# Altium PCB MainBoard_Layout_V2.PcbDoc (part 2 of 3)
Units mil, origin at the board's own origin, x right, y up, seen from the top; angles counter-clockwise.
Board outline 6119.77 x 4182.8 mil, 4 copper layers (Top Layer 1, Top Layer, Bottom Layer, Bottom Layer 1), stack 19.156 mil thick; 239 components, 227 nets, 1028 pads, 670 vias.
Unrouted connection lines stored in the file: 2.
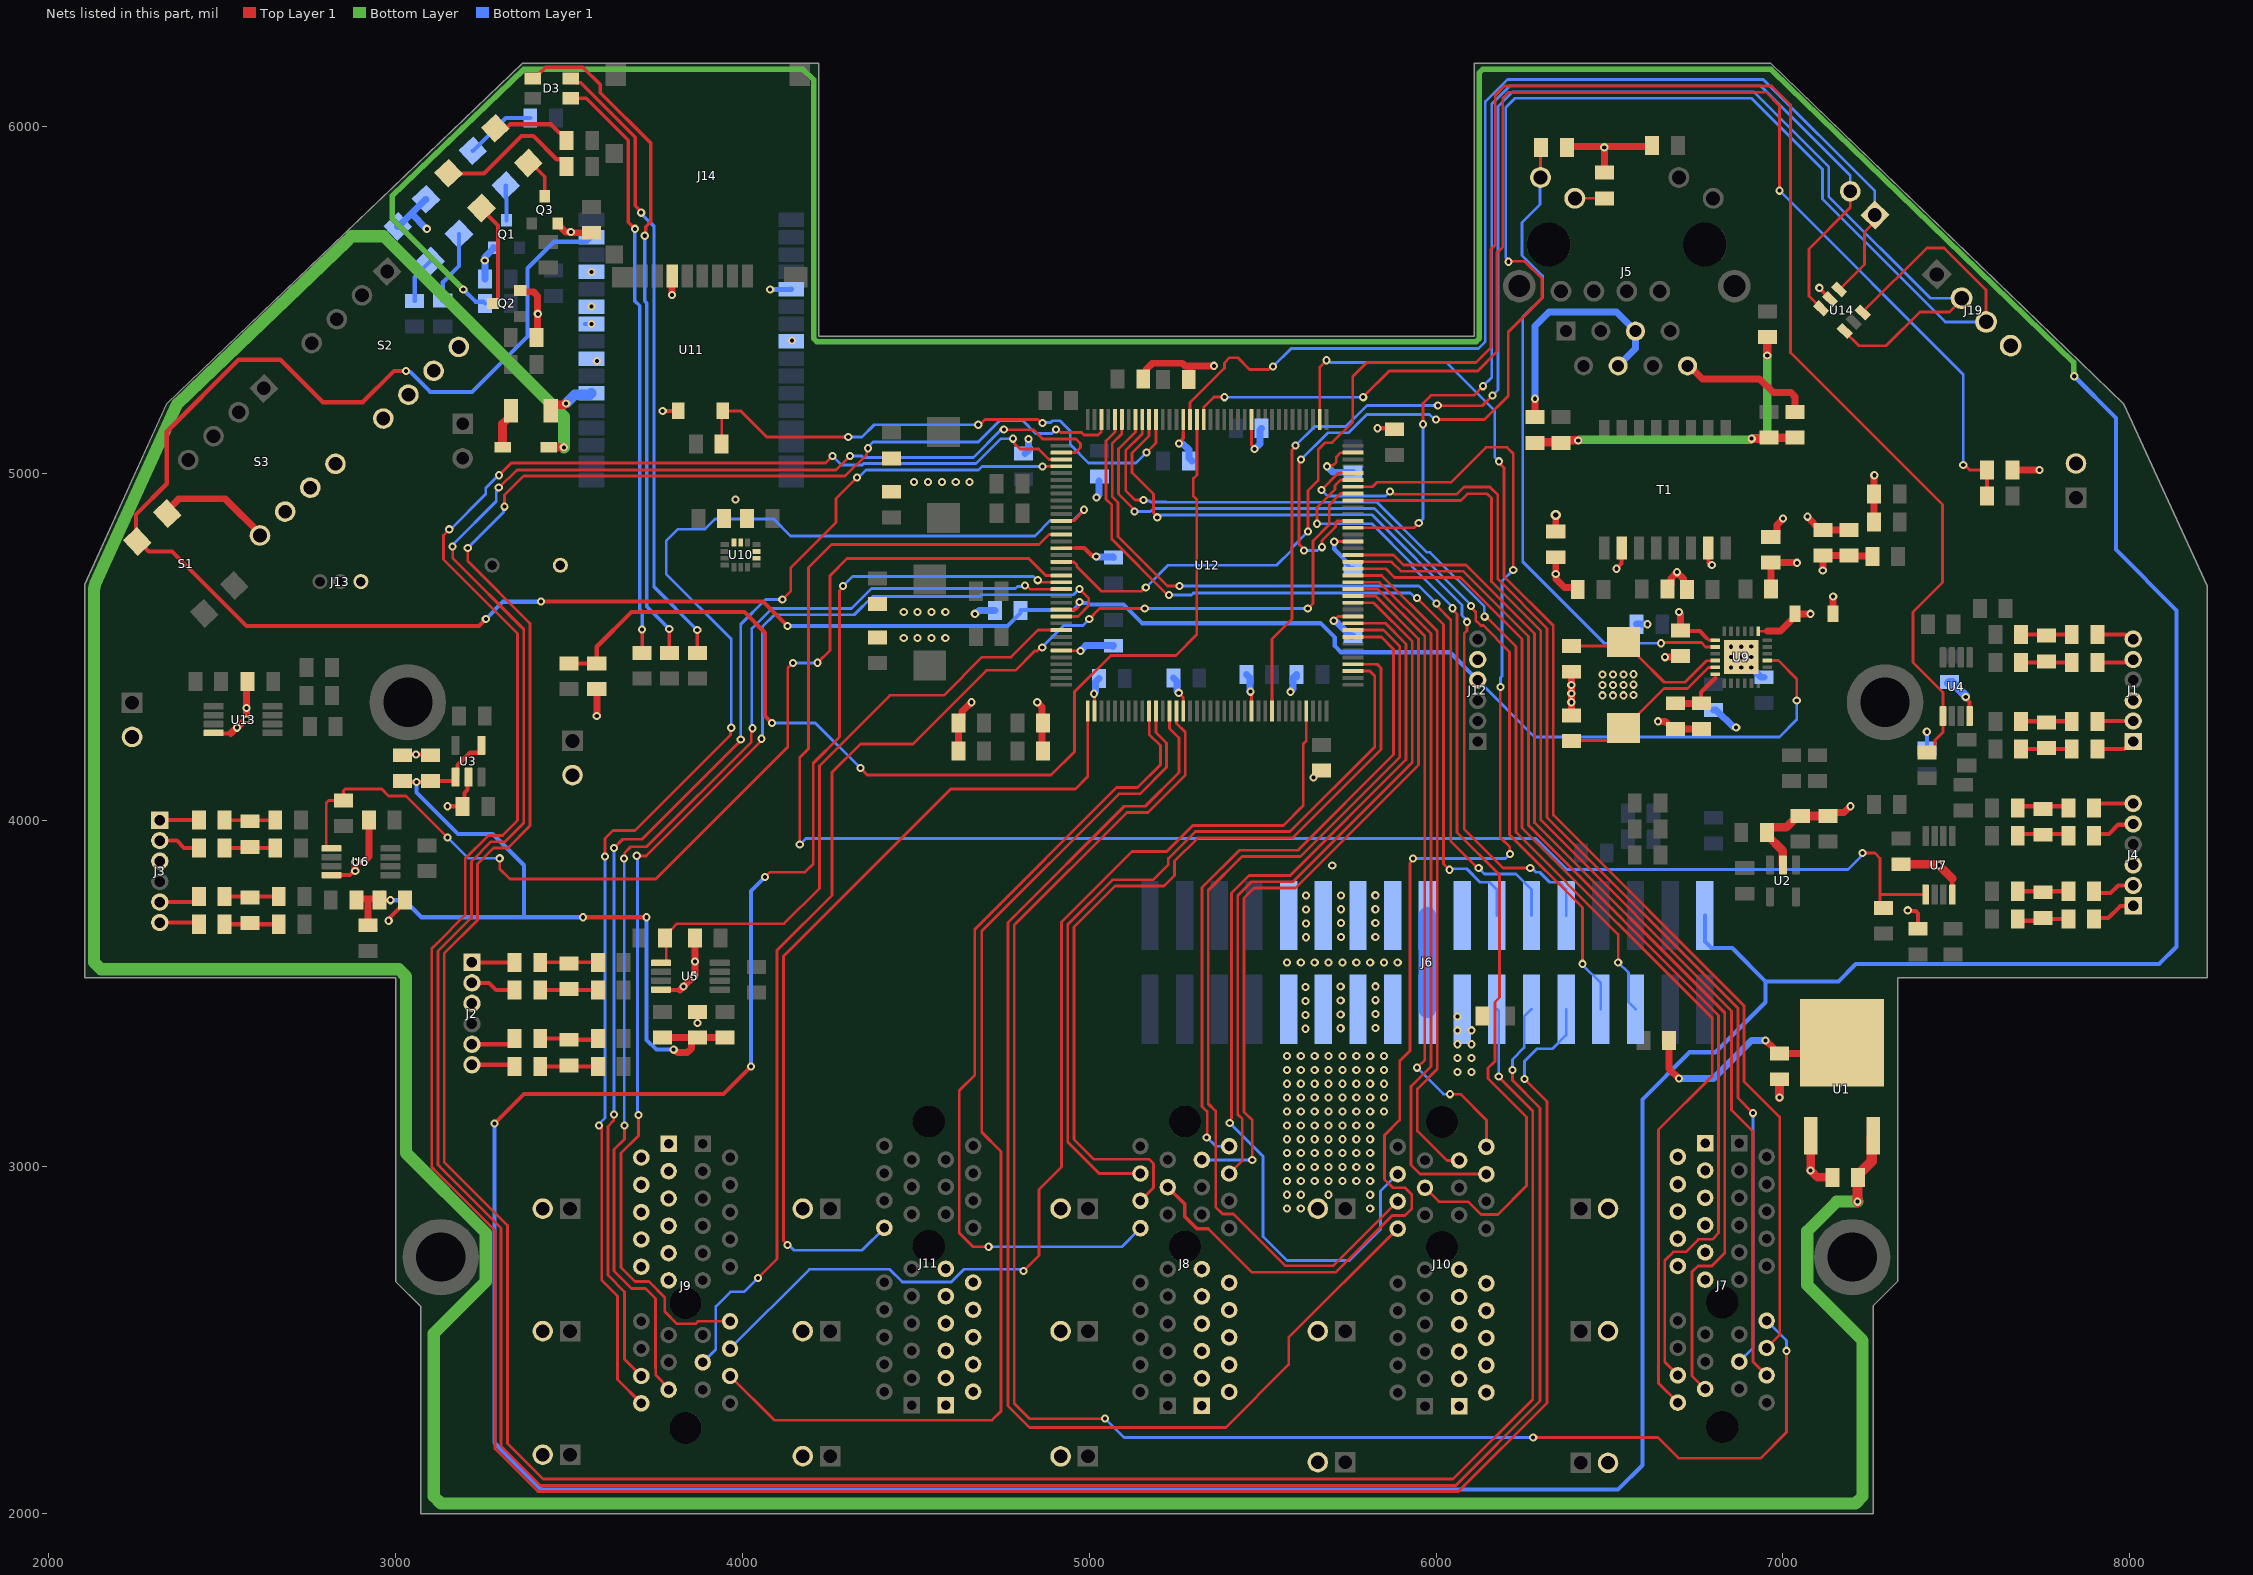
[diagram p4: the nets of this part, all layers, seen from the top]

## Via types
v1: diameter 23.62, hole 11.81, Top Layer 1 to Bottom Layer 1, tented both sides, 452 vias
v2: diameter 23.62, hole 11.81, Top Layer 1 to Bottom Layer 1, 166 vias
v3: diameter 23.62, hole 11.81, Top Layer 1 to Bottom Layer 1, tented bottom, 48 vias
v4: diameter 23.62/23.62/23.62/23.62 (per signal layer), hole 11.81, Top Layer 1 to Bottom Layer 1, 2 vias
v5: diameter 30, hole 15, Top Layer 1 to Bottom Layer 1, tented both sides, 1 vias
v6: diameter 23.62, hole 11.81, Top Layer 1 to Bottom Layer 1, tented top, 1 vias

## Nets (pads, with @x,y where several pads share a name; then routed paths per layer and width w, separated by ;. In a path a pad name is that pad's centre, name@x,y a point inside that pad or via, vN(x,y) a via of type N, cw(c..) or ccw(c..) an arc to the next point about the centre after c; other vN are vias at no path point) (continued)
3V3_DIV2B: C21.1 C24.1 C33.2 C39.1 R28.2 R29.2 R50.2 R51.2 U3.1 U3.4 | length 2577.8
  Top Layer 1 w12: C39.1@2953,3770 2984.24,3770 v2(2985,3769.24) ; C24.1@3020,4113 3023,4110 v2(3060,4110) 3097,4110 C21.1@3100,4113 3166.79,4113 3172.6,4118.81 U3.1@3172.6,4124.13 3178.41,4129.94 3178.41,4158.41 3214.5,4194.5 3241.59,4194.5 3247.4,4200.31 U3.4@3247.4,4215.87 ; v3(3540,3720) v3(3723.64,3720)
  Top Layer 1 w20: R50.2@2887,3770 2890.5,3773.5 2916.14,3773.5 ; R51.2@2937.5,3687 2927.5,3697 R51.2@2920,3697 2920,3769.64 2916.14,3773.5 ; C39.1@2960,3777 2956.5,3773.5 2916.14,3773.5 ; C39.1@2960.8,3783.8 2960.8,3785.3 C39.1@2963,3787.5 ; R28.2@3770,3373 3852.5,3373 C33.2@3852.5,3363 ; v2(3801.7,3338.3) 3802.39,3337.61 3804.96,3337.61 3813,3329.56 3840.78,3329.56 3852.5,3341.28 C33.2@3852.5,3363 ; R29.2@3940,3373 C33.2@3870,3373 C33.2@3867.75,3373 ; C33.2@3852.5,3363 3862.5,3373 C33.2@3867.75,3373 ; C33.2@3852.5,3363 3857.75,3363 C33.2@3867.75,3373
  Bottom Layer 1 w12: v2(2985,3769.24) 3025.76,3769.24 3075,3720 3370,3720 ; v2(3060,4110) 3060,4080 3180,3960 3280,3960 3370,3870 3370,3720 ; v3(3540,3720) 3370,3720 ; v3(3723.64,3720) 3723.64,3366.36 3751.7,3338.3 v2(3801.7,3338.3)
3V3_PWR_BRD: J6.19 J6.20 R105.2
  other v1: 6061.98,3274.02 6101.98,3274.02 6061.98,3314.02 6101.98,3314.02 6061.98,3354.02 6101.98,3354.02 6061.98,3394.02 6101.98,3394.02 6061.98,3434.02
3V3_USB_CHRG: C2.1 R104.2 U1.2 | length 669
  Top Layer 1 w20: R104.2@6672,3365 6672,3283 v2(6700,3255) ; v2(6950,3365) 6972.5,3342.5 6972.5,3337 6982.5,3327 C2.1@6990,3327 7139,3327 U1.2@7170,3358
  Bottom Layer 1 w20: v2(6700,3255) 6800,3255 6910,3365 v2(6950,3365)
5V_PWR_BRD: J6.17 J6.18 | length 270
  Bottom Layer 1 w50: J6.17@5975,3455 J6.18@5975,3725
5V_USB_CHRG: C1.1 D1.C U1.3 | length 11254.5
  Top Layer 1 w25: D1.C@3441,5077.5 3443.5,5075 v2(3485,5075)
  Top Layer 1 w30: v2(7215,2900) C1.1@7215,2975.5 ; C1.1@7217,2970 7217,2977.5 7255.71,3016.21 7255.71,3085.71 U1.3@7260,3090
  Bottom Layer w35: v2(3485,5075) 3485,5164.07 2965.57,5683.5 2873.5,5683.5 2860.38,5670.38 2860.13,5670.13 2859.75,5669.76 2369.94,5199.24 2133.15,4679.78 2130,4665.26 2130,3590.5 2150.5,3570 3009.5,3570 3030,3549.5 3030,3040 3260,2810 3260,2670 3110,2520 3110,2050.5 3130.5,2030 7209.5,2030 7230,2050.5 7230,2500 7070,2660 7070,2815 7155,2900 v2(7215,2900)
COS_A: R9.1 U5.1 U12.28 | length 1805.9
  Top Layer 1 w8: U5.1@3765.35,3588.39 3774.55,3588.39 3780,3593.83 3780,3657 R9.1@3777,3660 3777,3667.5 3793,3683.5 3793.5,3683.5 3811.5,3701.5 4120.11,3701.5 4222.06,3803.46 4222.06,4156.61 4425.46,4360 4580.89,4360 4690.89,4470 4774.54,4470 4852.54,4547.99 U12.28@4919.53,4547.99
COS_B: R35.1 U7.1 U12.14 | length 5043.9
  Top Layer 1 w8: v3(4165.27,3929.43) 4165.27,4180.65 4190.67,4206.05 4190.67,4728.2 4257,4794.53 4854.95,4794.53 4883.83,4823.41 4919.35,4823.41 U12.14@4919.53,4823.58 ; v2(7229.94,3905) 7265,3905 7280,3890 7280,3785.35 ; R35.1@7290,3747 7280,3757 7280,3785.35 ; U7.1@7411.61,3785.35 7280,3785.35
  Bottom Layer 1 w8: v3(4165.27,3929.43) 4182.75,3946.92 6288.08,3946.92 6377,3858 7188,3858 7223.63,3893.63 7223.63,3894.47 7229.94,3900.77 v2(7229.94,3905)
COS_C: R6.1 U4.1 U12.18 | length 5506.7
  Top Layer 1 w8: U12.18@4919.53,4744.84 4919.7,4744.67 4955.23,4744.67 4964.24,4735.66 4964.24,4730.76 5035,4660 5150.61,4660 5161.47,4670.85 v1(5163.11,4670.85) ; v1(5630.81,4832.12) 5630.81,4950.04 5660,4979.23 5660,5068.06 5680.37,5088.43 5700.41,5088.43 5760,5148.02 5760,5280 5800,5320 6115.46,5320 6158,5362.54 6158,5646 6170.5,5658.5 6170.5,6090.04 6197.46,6117 6967.54,6117 7022,6062.54 7022,5348 7460,4910 7460,4685 7375,4600 7375,4455 7461.61,4368.39 U4.1@7461.61,4300.35 7461.61,4253.61 7438.5,4230.5 7438.5,4211 R6.1@7434.72,4207.22
  Bottom Layer 1 w8: v1(5163.11,4670.85) 5227.26,4735 5540.42,4735 5584.12,4778.7 5584.12,4785.44 v1(5630.81,4832.12)
COS_D: R30.1 U6.1 U12.20 | length 3084.3
  Top Layer 1 w8: U6.1@2815.35,3918.39 2805.45,3918.39 2800,3923.83 2800,4050 2807,4057 R30.1@2850,4057 2850,4085.31 2854.69,4090 2960,4090 2980,4070 3030,4070 v2(3150,3950) ; v2(3300,3890) 3300,3860 3330,3830 3750,3830 4130.77,4210.77 4130.77,4438.32 v3(4145.41,4452.96) ; v3(4216.48,4453.84) 4252.21,4489.57 4252.21,4704.73 4301.95,4754.47 4825.53,4754.47 4874.53,4705.47 U12.20@4919.53,4705.47
  Bottom Layer 1 w8: v2(3150,3950) 3210,3890 v2(3300,3890) ; v3(4145.41,4452.96) 4145.85,4453.4 4216.04,4453.4 v3(4216.48,4453.84)
ENCA_COSN: J2.1 R10.2 | length 130.1
  Top Layer 1 w12: J2.1@3220,3590 R10.2@3343,3590 ; R10.2@3335,3585 R10.2@3340,3590
ENCA_COSP: J2.2 R15.2 | length 131.7
  Top Layer 1 w12: J2.2@3220,3530.94 3269.06,3530.94 3290,3510 R15.2@3343,3510
ENCA_SINN: J2.5 R20.2 | length 131
  Top Layer 1 w12: J2.5@3220,3353.78 3329,3353.78 3343,3367.78 R20.2@3343,3370
ENCA_SINP: J2.6 R24.2 | length 125
  Top Layer 1 w12: J2.6@3220,3294.72 3338.28,3294.72 R24.2@3343,3290
ENCB_COSN: J4.1 R36.2 | length 128.7
  Top Layer 1 w12: R36.2@7897,3715 7899.97,3717.97 7937.97,3717.97 7972.83,3752.83 J4.1@8010,3752.83
ENCB_COSP: J4.2 R41.2 | length 124.1
  Top Layer 1 w12: R41.2@7897,3795 7902,3790 7945,3790 7966.89,3811.89 J4.2@8010,3811.89
ENCB_SINN: J4.5 R46.2 | length 125
  Top Layer 1 w12: R46.2@7897,3960 7940,3960 7967,3987 8007.94,3987 J4.5@8010,3989.06
ENCB_SINP: J4.6 R48.2 | length 116.4
  Top Layer 1 w12: R48.2@7897,4040 7905.11,4048.11 J4.6@8010,4048.11
ENCC_COSN: J1.1 R7.2 | length 112.1
  Top Layer 1 w12: R7.2@7907,4205 7983.97,4205 7986.86,4207.89 7991,4207.89 J1.1@8010,4226.89
ENCC_COSP: J1.2 R12.2 | length 103.4
  Top Layer 1 w12: R12.2@7907,4285 7907.94,4285.94 J1.2@8010,4285.94
ENCC_SINN: J1.5 R17.2 | length 106.4
  Top Layer 1 w12: R17.2@7907,4455 7991.61,4455 7999.72,4463.11 J1.5@8010,4463.11
ENCC_SINP: J1.6 R22.2 | length 108.3
  Top Layer 1 w12: R22.2@7907,4535 7986.88,4535 7999.72,4522.17 J1.6@8010,4522.17
ENCD_COSN: J3.1 R31.2 | length 113
  Top Layer 1 w12: J3.1@2320,4000 R31.2@2433,4000
ENCD_COSP: J3.2 R33.2 | length 121.7
  Top Layer 1 w12: J3.2@2320,3940.94 2369.06,3940.94 2390,3920 R33.2@2433,3920
ENCD_SINN: J3.5 R39.2 | length 121
  Top Layer 1 w12: J3.5@2320,3763.78 2419,3763.78 2433,3777.78 R39.2@2433,3780
ENCD_SINP: J3.6 R43.2 | length 115
  Top Layer 1 w12: J3.6@2320,3704.72 2428.28,3704.72 R43.2@2433,3700
GEN_DIR: J16.1 U12.129 U14.1 | length 3312.4
  Top Layer 1 w8: U12.129@5290.79,5155.47 5290.79,5204.29 5389.77,5303.27 5389.77,5318.34 5404.89,5333.46 5428.15,5333.46 5462.43,5299.19 5517.31,5299.19 5525.78,5307.65 v2(5530,5307.65) ; U14.1@7162,5528.9 7235,5601.91 7235,5695.66 7265,5725.66 J16.1@7265,5745
  Bottom Layer 1 w8: v2(5530,5307.65) 5582.35,5360 6122,5360 6142,5380 6142,6072 6205.68,6135.68 6943.21,6135.68 7265,5813.9 J16.1@7265,5745
GEN_ES1: C78.1 R101.2 U12.128 | length 3133
  Top Layer 1 w8: v3(4340,4150) 4360,4130 4890,4130 4957.38,4197.38 4957.38,4370.25 5062.13,4475 5250,4475 5310,4535 5310,4925 5300,4935 5300,4985 5310.65,4995.65 5310.65,5155.3 U12.128@5310.47,5155.47
  Top Layer 1 w12: R101.2@3500,4452 C78.1@3580,4452 3580,4500 3680,4600 4005.35,4600 4065,4540.35 4065,4300 v3(4085,4280)
  Bottom Layer 1 w8: v3(4085,4280) 4210,4280 v3(4340,4150)
GEN_ES2: C79.1 R102.2 U12.127 | length 3911.1
  Top Layer 1 w8: U12.127@5330.16,5155.47 5330.33,5155.65 5330.33,5191.17 5359.16,5220 5389.65,5220 v2(5389.65,5219.65) ; v2(5789.75,5219.65) v2(5789.75,5219.65) 5865,5295 6120,5295 6176,5351 6176,5636 6192.5,5652.5 6192.5,6082.5 6209,6099 6951,6099 6990,6060 v2(6990,5815) ; v2(7520,5024.34) 7524.33,5024.34 7538.67,5010 C79.1@7588,5010
  Top Layer 1 w12: R102.2@7588,4935 C79.1@7588,5010
  Bottom Layer 1 w8: v2(5389.65,5219.65) v2(5789.75,5219.65) ; v2(6990,5815) 7520,5285 v2(7520,5024.34)
GEN_SPD: J16.2 U12.96 U14.3 | length 3172.9
  Top Layer 1 w8: U12.96@5760.47,4843.27 5936.8,4843.27 v2(5950,4856.46) ; v2(5962.29,5141.44) 5962.29,5201.83 5985.46,5225 6109,5225 v2(6135.38,5251.39) ; U14.3@7110.03,5475.91 7075,5510.95 7075,5647 7194.2,5766.2 J16.2@7194.2,5813.37
  Bottom Layer 1 w8: v2(5950,4856.46) 5950,4856.86 5962.29,4869.15 v2(5962.29,5141.44) ; v2(6135.38,5251.39) 6160.47,5276.47 6160.47,6065.01 6213.14,6117.68 6935.76,6117.68 7194.2,5859.24 J16.2@7194.2,5813.37
GENENC_A: J19.2 U12.64 U14.4 | length 4357.8
  Top Layer 1 w8: U12.64@5527.01,4314.53 5527.01,4522.01 5584.93,4579.93 5584.93,5067.31 5595,5077.38 v1(5595,5080) ; v2(6005,5196) 6006,5195 6133.23,5195 v2(6162.5,5224.27) ; U14.4@7171.01,5425 U14.4@7192.57,5403.44 ; U14.4@7178,5410.28 7178,5408.83 7219.06,5367.77 7297.77,5367.77 7395,5465 7479.94,5465 7515,5500.06 J19.2@7515,5505
  Bottom Layer 1 w8: v1(5595,5080) 5650,5135 5739.54,5135 5800.54,5196 v2(6005,5196) ; v2(6162.5,5224.27) 6178.47,5240.24 6178.47,6057.56 6220.59,6099.68 6916.53,6099.68 7131.93,5884.28 7131.93,5798.53 7425.46,5505 J19.2@7515,5505
GENENC_B: J19.3 U12.97 U14.6 | length 4385
  Top Layer 1 w8: v1(5610.93,5040) 5610.93,5035.67 5605,5029.74 5605,4795.68 5619.19,4781.49 v1(5619.19,4777.26) ; v1(5670.81,4787.11) 5670.81,4805.81 5710,4845 5710,4858.09 5714.69,4862.78 5760.3,4862.78 U12.97@5760.47,4862.95 ; v2(6000,5155) 6139.45,5155 6208.27,5223.82 6208.27,5408.27 6305,5505 6305,5561.49 6254.81,5611.69 6210.69,5611.69 v2(6209,5610) ; U14.6@7229.97,5464.09 7229.97,5464.97 7415,5650 7465,5650 7585.8,5529.2 J19.3@7585.8,5436.63
  Bottom Layer 1 w8: v1(5610.93,5040) 5687.93,5117 5747,5117 5800,5170 5981.06,5170 5996.06,5155 v2(6000,5155) ; v1(5619.19,4777.26) 5658.31,4777.26 5668.16,4787.11 v1(5670.81,4787.11) ; v2(6209,5610) 6209,5614.33 6201,5622.33 6201,6054.63 6228.05,6081.68 6909.07,6081.68 7113.93,5876.83 7113.93,5791.07 7468.37,5436.63 J19.3@7585.8,5436.63
GND: C1.2 C2.2 C3.1 C4.2 C5.2 C6.1 C7.1 C8.1 C9.1 C10.1 C11.1 C12.1 C13.1 C14.1 C15.1 C16.1 C17.1 C18.1 C19.1 C20.1 C21.2 C22.2 C23.2 C24.2 C25.2 C26.2 C31.2 C32.2 C33.1 C34.2 C39.2 C40.2 C41.1 C42.1 C43.2 C44.1 C45.1 C46.2 C47.1 C48.1 C49.1 C50.1 C51.1 C52.1 C54.1 C55.2 C56.2 C57.2 C58.2 C59.2 C60.2 C61.2 C62.2 C63.2 C64.2 C65.2 C66.2 C67.2 C68.2 C69.2 C70.1 C71.2 C72.2 C73.2 C74.2 C75.2 C76.1 C77.1 C78.2 C79.2 C80.1 D4.2 Dled1.2 Dled3.2 J1.3 J2.3 J3.3 J4.3 J6.9 J6.10 J6.11 J6.12 J6.13 J6.14 J6.15 J6.16 J7.B1 J7.B2 J7.B3 J7.B4 J7.B5 J7.B6 J7.B7 J7.B8 J7.B9 J7.B10 J7.B11 J8.B1 J8.B2 J8.B3 J8.B4 J8.B5 J8.B6 J8.B7 J8.B8 J8.B9 J8.B10 J8.B11 J9.B1 J9.B2 J9.B3 J9.B4 J9.B5 J9.B6 J9.B7 J9.B8 J9.B9 J9.B10 J9.B11 J10.B1 J10.B2 J10.B3 J10.B4 J10.B5 J10.B6 J10.B7 J10.B8 J10.B9 J10.B10 J10.B11 J11.B1 J11.B2 J11.B3 J11.B4 J11.B5 J11.B6 J11.B7 J11.B8 J11.B9 J11.B10 J11.B11 J12.5 J13.3 J14.6 J15.2 J17.2 J18.2 J19.4 Q1.2 Q2.2 Q3.2 R4.1 R5.1 R65.2 R67.1 R73.2 R74.2 R75.2 R86.2 R87.2 R93.2 R94.2 R95.2 S1.2 S2.1B S2.2B S2.3B S2.4B S3.1B S3.2B S3.3B S3.4B S4.N U1.1 U2.2 U3.2 U4.4 U5.4 U6.4 U7.4 U9.25 U10.2 U10.3 U10.6 U10.7 U11.5 U11.8 U11.24 U11.26 U11.27 U11.29 U12.16 U12.31 U12.38 U12.51 U12.61 U12.83 U12.94 U12.107 U12.120 U12.130 U13.4 U14.2 | length 6961.9
  Top Layer 1 w8: U12.31@4919.53,4488.94 4919.7,4488.76 4973.77,4488.76 v1(4975.04,4487.5) ; U12.16@4919.53,4784.21 4919.7,4784.39 4961,4784.39 ; v1(5013.47,4364.38) 5015.02,4362.82 5015.02,4314.7 U12.38@5015.2,4314.53 ; v1(5257.92,4367.12) 5271.1,4353.93 U12.51@5271.1,4314.53 ; 5271.1,5118.9 U12.130@5271.1,5155.47 ; v1(5464.55,4370.54) 5464.55,4366.21 5467.95,4362.81 U12.61@5467.95,4314.53 ; U12.120@5467.95,5155.47 5467.95,5081.37 5476.19,5073.14 v1(5476.19,5070) ; v1(5685.81,5020.22) 5688.8,5023.21 5702.62,5023.21 5712.39,5032.97 5712.39,5047.24 5724.77,5059.63 5760.3,5059.63 U12.107@5760.47,5059.8 ; v1(5705,4575) 5717.36,4587.36 U12.83@5760.47,4587.36 ; v1(5706.31,4802.79) 5707.24,4803.72 5760.3,4803.72 U12.94@5760.47,4803.9
  Top Layer 1 w10: v1(5258.65,5085.79) 5258.65,5088.65 5271.1,5101.1 5271.1,5118.9 ; v1(7105,5535) 7105,5534.3 7134.02,5505.28 U14.2@7136.02,5505.28
  Top Layer 1 w12: U13.4@2475.35,4251.61 2476.97,4250 2524.57,4250 ; U6.4@2815.35,3841.61 2815.5,3841.76 2868.23,3841.76 2880.26,3853.78 v1(2883.5,3853.78) ; v1(2980,3710) 2982.3,3712.3 2982.3,3717.8 3027,3762.5 C39.2@3027,3770 ; C24.2@3020,4187 3022.72,4189.72 v1(3058.9,4189.72) 3097.28,4189.72 C21.2@3100,4187 ; v1(3150,4040) R5.1@3193,4040 3198.47,4045.47 3198.47,4078.47 3207.62,4087.62 3207.62,4121.75 U3.2@3210,4124.13 ; U5.4@3765.35,3511.61 3766.97,3510 3820,3510 ; v1(3770,5180) D4.2@3815,5180 ; J9.B1@3787.05,3066.69 3787.05,3067.05 J9.B1@3800,3080 ; v1(3870,3414.81) C33.1@3870,3447 ; 4961,4784.39 4961.09,4784.48 4985.52,4784.48 5007.7,4762.3 5017.7,4762.3 v1(5020,4760) ; v1(5646.75,4123.25) 5648.5,4125 5648.5,4129 5662.5,4143 C4.2@5670,4143 ; C66.2@5650.61,2880 C66.2@5659.08,2880 ; v1(5831.02,5130) 5877,5130 C5.2@5880,5127 ; v1(7360,3740) 7362.22,3737.78 7382.97,3737.78 7390,3730.75 C40.2@7390,3687 ; U7.4@7488.39,3785.35 7488.39,3831.61 ; v1(7527.19,4355) 7527.19,4351.86 7538.24,4340.8 U4.4@7538.24,4303.72
  Top Layer 1 w20: S1.2@2337.74,4889.72 2374.76,4926.74 2507.91,4926.74 2611.33,4823.32 S3.4B@2620.01,4814.64 ; 2524.57,4250 2524.66,4250 2541.29,4266.63 v1(2542.37,4266.63) 2543.46,4266.63 2566.06,4289.23 2569.23,4289.23 v1(2570,4290) 2569.82,4290.18 2569.82,4323.13 v1(2569.64,4323.32) 2570.03,4323.71 2570.03,4397.03 C75.2@2573,4400 ; v1(2883.5,3853.78) 2883.37,3853.92 v1(2883.37,3879.01) 2883.73,3879.37 2908.47,3879.37 v1(2908.84,3879.74) 2908.84,3880.82 2923,3894.98 C31.2@2923,4000 ; Q2.2@3359.37,5527.4 3363.2,5523.57 3397.52,5523.57 3409.23,5511.85 3409.23,5461.75 3410,5460.98 v1(3410,5460) 3409.23,5459.23 3409.23,5394.45 R87.2@3405.93,5391.15 ; Q3.2@3467.4,5720.63 3467.4,5718.66 3489.77,5696.29 3504.44,5696.29 v1(3505.13,5695.6) ; v1@3506.81,5694.91 3507.99,5693.72 R93.2@3564.34,5693.72 ; v1(3580,4300) C78.2@3580,4378 ; v1(3796.96,5513.84) 3797.28,5514.16 3797.28,5568.86 J14.6@3797.6,5569.17 ; 3820,3510 v1(3830,3520) v1(3860,3550) ; v1@3863,3553 v1@3861.31,3551.31 ; v1(3863.04,3592.11) C26.2@3863,3660 ; v1(3863.04,3592.11) 3863.04,3554.12 v1@3860.77,3551.85 ; C16.1@4623,4200 C17.1@4623,4280 ; C17.1@4623,4287.5 C17.1@4623,4280 ; v1(4660,4340) 4633,4313 4633,4290 C17.1@4623,4280 ; v1(4850,4340) 4864.22,4325.78 4864.22,4282.78 C20.1@4867,4280 4863.9,4276.9 4863.9,4203.1 C19.1@4867,4200 ; R95.2@5155.51,5271.49 5165.51,5281.49 5165.51,5300.84 5182.18,5317.5 5268.07,5317.5 5275.57,5310 5290,5310 ; R94.2@5287,5270 5290,5273 5290,5310 ; v1(5360,5310) 5290,5310 ; C50.1@6345,4832 v5(6345,4880) ; R74.2@6377,5940 6379.5,5942.5 v1@6485,5942.5 ; C54.1@6390,4302 v1(6390,4340) v1(6390,4365) v1(6390,4390) C52.1@6390,4428 ; R73.2@6485,5867 v1(6485,5940) v1@6485,5942.5 ; R75.2@6623,5945 6620.5,5942.5 v1@6485,5942.5 ; v1(6640,4285) 6660.78,4285 6672.5,4273.28 6672.5,4273 6682.5,4263 C48.1@6690,4263 C47.1@6765,4263 ; v1(6660,4470) 6702,4470 C46.2@6705,4473 ; C51.1@6965,4817 6972.5,4817 6982.5,4827 6982.5,4851.42 7000,4868.92 v1(7000,4870) ; v1(7071,4875) 7071,4873.5 7107.5,4837 C44.1@7115,4837 C45.1@7190,4837 ; C23.2@7130,4012 7140,4022 7176.02,4022 7194.02,4040 v1(7195,4040) ; C43.2@7145,4595 v1(7145,4645) ; C42.1@7263,4860 C41.1@7263,4940 7263.28,4940.28 7263.28,4994.1 v1(7263.56,4994.38) ; C79.2@7662,5010 v1(7740,5010) ; v1(3860,3550) v1@3861.31,3551.31 ; v1(3860,3550) 3860,3551.08 v1@3860.77,3551.85 ; v1@3860.77,3551.85 v1@3861.31,3551.31
  Top Layer 1 w25: v1(6990,3200) C2.2@6990,3253 ; U2.2@7000,3870.87 6999.31,3871.56 6999.31,3912.19 6954,3957.5 R4.1@6954,3965 6954,3971.65 6961.5,3979.15 7009.65,3979.15 7042.5,4012 C22.2@7050,4012 C23.2@7110,4012 ; U1.1@7080,3090 v1(7080,2990) 7100,2970 C1.2@7143,2970 ; C34.2@7340,3873 7447,3873 v1(7450,3870) 7488.39,3831.61
  Bottom Layer 1 w12: U11.26@3545.88,5430.72 v2(3564.34,5430.72) ; v1(5706.31,4802.79) 5706.31,4781.69 5738.97,4749.03 5738.97,4741.53 5752.97,4727.53 C80.1@5760.47,4727.53 ; v1(7415,4255) C32.2@7415,4207 C32.2@7417.67,4209.67
  Bottom Layer 1 w15: v1(4080,5530) 4080.36,5530.36 4140.36,5530.36 U11.5@4140.72,5530.72
  Bottom Layer 1 w20: Dled3.2@3005.79,5712.07 3007.72,5712.07 3045.16,5749.5 ; Dled1.2@3087.57,5789.98 3085.63,5789.98 3045.16,5749.5 ; v1(3090,5705) 3089.66,5705 3045.16,5749.5 ; R86.2@3258,5560 3258,5624.06 3282.6,5648.66 Q1.2@3282.6,5650.63 ; v1(4670,4595) 4672.71,4595 4682.71,4605 C70.1@4728,4605 ; C18.1@4815,5057 4824.31,5066.31 4824.31,5098.5 v1(4825,5099.19) ; v1(4975.04,4487.5) 4975.04,4488.48 4989.15,4502.59 4989.15,4503 5065.83,4503 5067.91,4500.91 C9.1@5070,4503 ; v1(5013.47,4364.38) 5013.47,4365.36 5018.18,4370.07 5018.18,4398.38 C8.1@5028.18,4408.38 ; v1(5020,4760) 5020.77,4759.23 5066.23,4759.23 5067,4760 C3.1@5070,4757 ; v1(5021,4930) 5021,4930.98 5027.5,4937.48 C11.1@5027.5,4978 ; C6.1@5243,4410 5253,4400 5253,4373.12 5257.92,4368.2 v1(5257.92,4367.12) ; v1(5258.65,5085.79) 5259.35,5085.09 5269.91,5085.09 5287,5068 5287,5044.44 C12.1@5295.65,5035.79 ; C13.1@5453,4420 5463,4410 5463,4373.17 5464.55,4371.62 v1(5464.55,4370.54) ; v1(5476.19,5070) 5476.92,5070 5492,5085.08 5492,5125 C10.1@5497,5130 ; v1(5580,4370) 5580,4370.98 5588,4378.98 5588,4410 C15.1@5598,4420 C15.1@5598,4412.5 ; v1(5685.81,5020.22) 5685.87,5020.22 5702.97,5003.12 C14.1@5760.47,5003.12 ; v1(5705,4575) 5705.77,4574.23 5709.74,4574.23 5752.97,4531 C7.1@5760.47,4531 ; R67.1@6578,4565 v1(6610,4565) ; R65.2@6800,4318 6807.5,4318 6857.32,4268.18 6864.56,4268.18 v1(6865.25,4267.48) ; v1(6908.78,4440.72) 6937.5,4412 C49.1@6945,4412
  Bottom Layer 1 w25: C25.2@7477,4395 C25.2@7480,4398 7487.5,4398 7527.19,4358.31 v1(7527.19,4355)
  other v1: 5570,2880 5610,2880 5810,2880 5570,2920 5610,2920 5690,2920 5810,2920 5570,2960 5610,2960 5650,2960 5690,2960 5730,2960 5770,2960 5810,2960 5570,3000 5610,3000 5650,3000 5690,3000 5730,3000 5770,3000 5810,3000 5570,3040 5610,3040 5650,3040 5690,3040 5730,3040 5770,3040 5810,3040 5570,3080 5610,3080 5650,3080 5690,3080 5730,3080 5770,3080 5810,3080 5570,3120 5610,3120 5650,3120 5690,3120 5730,3120 5770,3120 5810,3120 5570,3160 5610,3160 5650,3160 5690,3160 5730,3160 5770,3160 5810,3160 5850,3160 5570,3200 5610,3200 5650,3200 5690,3200 5730,3200 5770,3200 5810,3200 5850,3200 5570,3240 5610,3240 5650,3240 5690,3240 5730,3240 5770,3240 5810,3240 5850,3240 5570,3280 5610,3280 5650,3280 5690,3280 5730,3280 5770,3280 5810,3280 5850,3280 5570,3320 5610,3320 5650,3320 5690,3320 5730,3320 5770,3320 5810,3320 5850,3320 5623.27,3398.65 5724.91,3400.01 5825.38,3400.98 5623.27,3438.65 5724.91,3440.01 5825.38,3440.98 5623.27,3478.65 5724.91,3480.01 5825.38,3480.98 5623.27,3518.65 5724.91,3520.01 5825.38,3520.98 5570,3590 5610,3590 5650,3590 5690,3590 5730,3590 5770,3590 5810,3590 5850,3590 5889.19,3590 5624.8,3662.38 5725.89,3663.07 5824.84,3663.25 5624.8,3702.38 5725.89,3703.07 5824.84,3703.25 5624.8,3742.38 5725.89,3743.07 5824.84,3743.25 5624.8,3782.38 5725.89,3783.07 5824.84,3783.25 5700.51,3869.49 6480,4360 6510,4360 6540,4360 6568.78,4360.72 6480,4390 6510,4390 6540,4390 6568.78,4390.72 6480,4420 6510,4420 6540,4420 6568.78,4420.72 6850,4440 6880,4440 6850,4470 6880,4470 6908.78,4470.72 6850,4500 6880,4500 6908.78,4500.72 4465,4525 4505,4525 4545,4525 4585,4525 4465,4600 4505,4600 4545,4600 4585,4600 3980,4925 4495,4975 4535,4975 4575,4975 4615,4975 4655,4975 3256.99,5613.31